# Altium PCB PDB_PCB2.PcbDoc (part 2 of 3)
Units mm, origin at the board's own origin, x right, y up, seen from the top; angles counter-clockwise.
Board outline 244 x 82 mm, 4 copper layers (Top Layer, NC, GND, Bottom Layer), stack 0.603 mm thick; 252 components, 210 nets, 894 pads, 234 vias.
Unrouted connection lines stored in the file: 2.
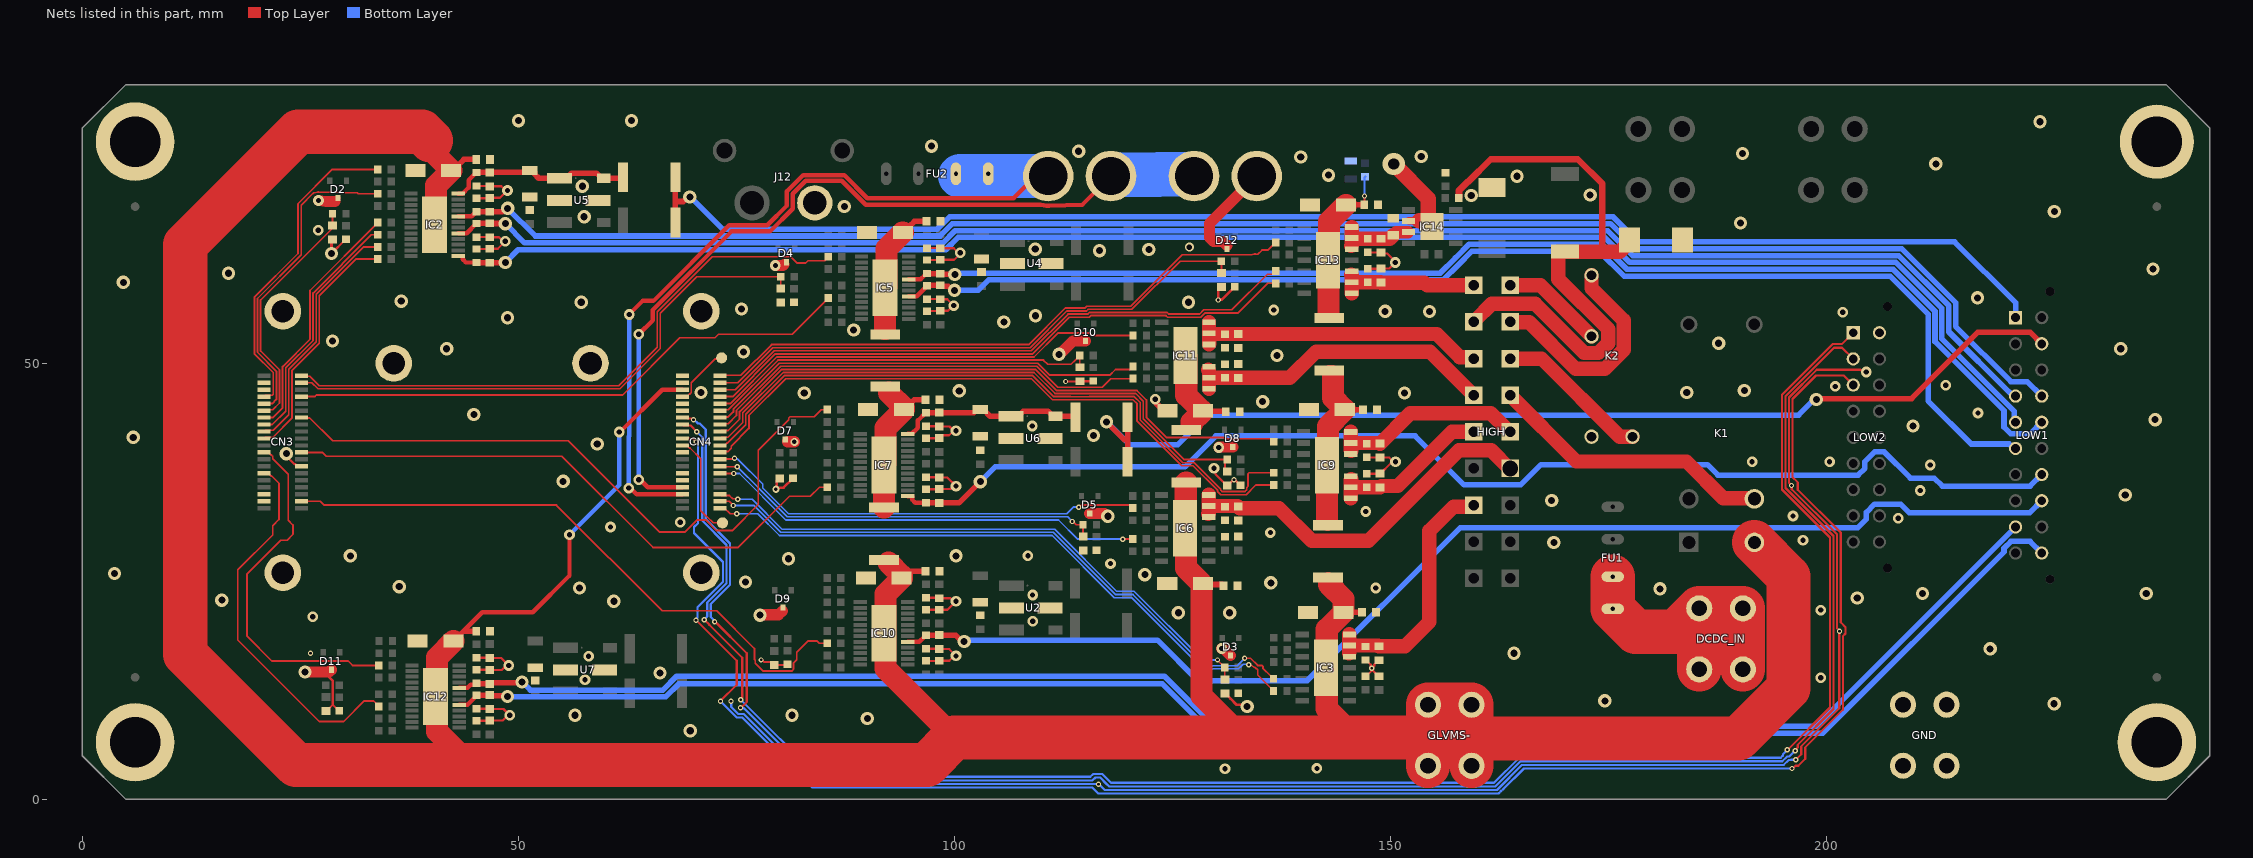
[diagram p4: the nets of this part, all layers, seen from the top]

## Via types
v1: diameter 1.524, hole 0.813, Top Layer to Bottom Layer, 114 vias
v2: diameter 1.219, hole 0.61, Top Layer to Bottom Layer, 68 vias
v3: diameter 0.61, hole 0.305, Top Layer to Bottom Layer, 44 vias
v4: diameter 1.2, hole 1.2, Top Layer to Bottom Layer, 2 vias
v5: diameter 0.8, hole 0.8, Top Layer to Bottom Layer, 2 vias
v6: diameter 1.016, hole 0.61, Top Layer to Bottom Layer, 1 vias
v7: diameter 2.54, hole 1.27, Top Layer to Bottom Layer, 1 vias
v8: diameter 0.914, hole 0.508, Top Layer to Bottom Layer, 1 vias
v9: diameter 0.813, hole 0.406, Top Layer to Bottom Layer, 1 vias

## Nets (pads, with @x,y where several pads share a name; then routed paths per layer and width w, separated by ;. In a path a pad name is that pad's centre, name@x,y a point inside that pad or via, vN(x,y) a via of type N, cw(c..) or ccw(c..) an arc to the next point about the centre after c; other vN are vias at no path point) (continued)
ACCU_UBR: C73.2 IC12.17 LOW1.20 R127.2 | length 194.6
  Top Layer w0.508: IC12.17@43.245,10.829 43.264,10.848 44.176,10.848 R127.2@45.016,11.688
  Top Layer w0.635: R127.2@45.212,11.951 45.224,11.963 46.724,11.963 C73.2@46.736,11.976 46.818,11.893 48.686,11.893 v1(48.768,11.811)
  Bottom Layer w0.635: v1(48.768,11.811) 48.819,11.76 66.908,11.76 68.404,13.257 123.874,13.257 129.536,7.595 157.783,7.595 157.793,7.605 160.897,7.605 160.907,7.595 199.619,7.595 220.41,28.386 220.41,28.811 221.19,29.591 223.41,29.591 LOW1.20@224.742,28.259
ACCU_UBR_EN: CN3.15 R125.2 | length 43.5
  Top Layer w0.203: CN3.15@20.828,37.465 21.275,37.465 21.488,37.252 21.488,37.223 21.607,37.104 21.695,37.104 22.555,36.244 22.555,32.116 21.838,31.399 21.838,30.332 17.831,26.325 17.831,18.283 27.173,8.941 29.982,8.941 32.345,11.304 33.399,11.304 34.01,10.693 R125.2@34.01,10.668
active_switch_IL+: HIGH.8 K2.4 | length 26.2
  Top Layer w1.651: HIGH.8@163.771,54.764 163.801,54.734 165.941,54.734 171.272,49.404 174.637,49.404 176.809,51.576 176.809,54.941 173.101,58.649 K2.4@173.101,60.111
active_switch_IL-: HIGH.9 K2.3 | length 11.8
  Top Layer w1.651: HIGH.9@163.771,58.964 167.248,58.964 K2.3@173.101,53.111
AIR+: HIGH.7 K2.1 | length 17.7
  Top Layer w1.651: HIGH.7@163.771,50.564 167.368,50.564 176.321,41.611 K2.1@177.801,41.611
BACKUP_PC10: CN4.11 pad.13 | length 11.8
  Top Layer w0.203: CN4.11@68.84,40.6 69.34,40.6 69.488,40.452 69.488,40.423 69.607,40.304 69.695,40.304 70.934,39.065 70.934,33.13 71.637,32.427 71.652,32.427 72.354,31.725 pad.13@73.431,31.725
BACKUP_PC15: CN4.4 pad.14 | length 7
  Top Layer w0.203: CN4.4@68.84,46.2 69.34,46.2 69.636,46.496 69.695,46.496 69.844,46.645 69.844,47.8 72.549,50.506 73.188,50.506 pad.14@73.33,50.648
BATTERY_1: CN4.18 FU2.1 J7.+ | length 94.3
  Top Layer w0.508: v2(62.662,35.712) 62.854,35.712 63.567,35 CN4.18@68.84,35 ; v2(62.713,55.626) 64.262,57.175 65.507,57.175 74.181,65.849 78.549,65.849 80.817,68.117 80.817,69.745 82.687,71.615 87.389,71.615 90.043,68.961 106.811,68.961 109.351,71.501 J7.+@110.783,71.501
  Bottom Layer w0.508: v2(62.662,35.712) 62.687,35.738 62.687,41.65 62.713,41.676 v2(62.713,55.626)
  Bottom Layer w5.08: FU2.1@100.711,71.501 J7.+@110.783,71.501
BATTERY_2: CN4.17 J4.+ J7.- | length 97.5
  Top Layer w0.508: v2(63.805,36.652) 63.997,36.652 64.849,35.8 CN4.17@68.84,35.8 ; v2(63.83,53.34) 65.43,54.94 65.43,56.136 74.445,65.151 78.867,65.151 81.477,67.761 81.477,69.471 82.961,70.955 87.115,70.955 89.871,68.199 109.94,68.199 ccw(c110.783,71.501) 110.878,68.094 114.681,68.199 114.83,68.348 J7.-@117.983,71.501
  Bottom Layer w0.508: v2(63.805,36.652) 63.817,36.665 63.817,53.327 v2(63.83,53.34)
  Bottom Layer w5.08: J7.-@117.983,71.501 118.121,71.639 123.396,71.639 123.474,71.717 127.097,71.717 127.313,71.501 J4.+@127.508,71.501
BDU_PWR: C49.2 IC7.13 LOW1.17 R75.2 | length 141.3
  Top Layer w0.508: IC7.13@94.66,34.779 95.14,34.779 95.169,34.75 95.169,34.39 95.542,34.017 R75.2@96.754,34.017
  Top Layer w0.635: R75.2@96.754,34.017 96.76,34.011 98.272,34.011 C49.2@98.278,34.005 100.553,34.005 v1(102.997,36.449)
  Bottom Layer w0.635: v1(102.997,36.449) 104.699,38.151 126.454,38.151 130.01,41.707 152.857,41.707 158.496,36.068 164.971,36.068 167.313,38.41 186.38,38.41 187.592,37.198 197.594,37.198 ; 197.595,37.197 203.673,37.197 204.453,37.977 204.453,38.744 205.569,39.86 206.673,39.86 209.673,36.861 212.404,36.861 213.337,35.927 223.41,35.927 LOW1.17@224.742,37.259
BDU_PWR_EN: CN3.29 R69.2 | length 67.7
  Top Layer w0.203: CN3.29@25.113,39.8 27.536,39.8 27.966,39.37 54.986,39.37 65.451,28.905 75.24,28.905 81.107,34.773 83.509,34.773 84.551,35.814 R69.2@85.445,35.814
BSPD_PWR: C33.2 IC5.17 LOW1.6 R45.2 | length 144.5
  Top Layer w0.508: IC5.17@94.787,57.699 94.806,57.718 95.718,57.718 R45.2@96.685,58.685
  Top Layer w0.635: R45.2@96.881,58.935 96.9,58.954 98.386,58.954 C33.2@98.405,58.973 98.537,58.84 99.339,58.84 99.785,58.395 v1(100.025,58.395)
  Bottom Layer w0.635: v1(100.025,58.395) 102.747,58.395 103.941,59.588 156.079,59.588 157.813,61.323 159.356,62.865 173.989,62.865 176.834,60.02 207.356,60.02 211.709,55.668 211.709,45.71 216.652,40.767 220.995,40.767 221.503,40.259 LOW1.6@221.742,40.259
BSPD_PWR_EN: CN3.37 R40.2 | length 65.1
  Top Layer w0.203: CN3.37@25.146,46.228 26.68,46.228 26.833,46.38 61.961,46.38 68.539,52.959 72.563,52.959 72.964,53.36 81.426,53.36 85.572,57.506 R40.2@85.572,57.531
BUZZER_CTRL: LOW2.10
BUZZER_PWR: C58.2 IC10.17 LOW1.18 R96.2 | length 142.2
  Top Layer w0.508: IC10.17@94.66,18.075 96,18.075 R96.2@96.558,18.633
  Top Layer w0.635: R96.2@96.754,18.829 96.76,18.835 98.272,18.835 C58.2@98.278,18.841 100.171,18.841 100.902,18.11 v1(101.143,18.11)
  Bottom Layer w0.635: v1(101.143,18.11) 101.313,18.28 123.304,18.28 127.97,13.614 140.487,13.614 158.053,31.18 203.655,31.18 204.621,32.146 204.621,32.912 205.569,33.86 208.559,33.86 209.526,32.893 223.376,32.893 LOW1.18@224.742,34.259
BUZZER_PWR_EN: CN3.22 R93.2 | length 71.7
  Top Layer w0.203: CN3.22@25.158,34.2 27.288,34.2 27.732,33.757 54.376,33.757 66.492,21.641 72.755,21.641 77.089,17.307 77.089,16.084 77.191,15.982 77.191,15.641 78.111,14.721 81.346,14.721 81.583,14.958 81.583,15.67 81.939,16.026 81.939,16.863 83.262,18.186 84.241,18.186 84.52,17.907 R93.2@85.445,17.907
CAN_H: CN4.7 LOW2.2 | length 220.5
  Top Layer w0.254: CN4.7@69.325,43.815 69.463,43.677 v3@69.843,43.677 ; v3(72.517,20.396) 72.563,20.396 76.2,16.759 76.2,11.159 75.552,10.511 v3(75.489,10.511) ; v3(196.469,5.588) 196.469,5.684 196.748,5.964 196.748,6.255 200.863,10.37 200.863,30.21 195.351,35.722 195.351,46.26 200.908,51.816 201.834,51.816 LOW2.2@203.121,50.529
  Bottom Layer w0.254: v3(70.104,43.561) 70.178,43.561 70.626,43.113 70.806,43.113 71.501,42.418 71.501,32.156 74.294,29.364 74.294,24.636 72.085,22.427 72.085,20.924 72.517,20.492 v3(72.517,20.396) ; v3(75.489,10.511) 75.54,10.46 75.9,10.46 84.176,2.184 115.875,2.184 116.205,2.515 116.738,2.515 117.475,1.778 117.764,1.499 162.093,1.499 164.964,4.369 194.989,4.369 195.546,4.925 195.772,4.925 196.434,5.588 v3(196.469,5.588)
CAN_L: CN4.8 LOW2.1 | length 219.2
  Top Layer w0.254: CN4.8@68.84,43 68.963,42.877 69.772,42.877 v3(70.485,42.164) ; v3(71.321,20.622) 71.327,20.622 71.896,20.053 71.896,20.047 75.692,16.251 75.692,11.717 75.514,11.539 v3(75.514,11.443) ; v3(195.562,5.686) 195.597,5.686 200.457,10.546 200.457,30.042 194.945,35.554 194.945,46.428 200.739,52.222 201.814,52.222 LOW2.1@203.121,53.529
  Bottom Layer w0.254: v3(70.485,42.164) 71.095,41.554 71.095,31.982 73.887,29.189 73.887,24.804 71.679,22.595 71.679,20.98 v3(71.321,20.622) ; v3(75.514,11.443) 75.527,11.443 84.379,2.591 115.621,2.591 115.951,2.921 116.967,2.921 117.983,1.905 161.925,1.905 164.795,4.775 194.821,4.775 195.072,5.026 195.072,5.196 v3(195.562,5.686)
DCDC_CTRL: HIGH.6 K1.5 | length 32.6
  Top Layer w1.651: HIGH.6@163.771,46.364 171.375,38.76 183.998,38.76 188.214,34.544 K1.5@191.516,34.544
DCDC_IN: DCDC_IN.1 DCDC_IN.2 DCDC_IN.3 DCDC_IN.4 FU1.1 | length 34.8
  Top Layer w5.08: FU1.1@175.539,25.552 FU1.1@175.539,21.852 178.155,19.236 182.781,19.236 DCDC_IN.1@185.46,21.915 ; DCDC_IN.3@185.46,14.915 DCDC_IN.1@185.46,21.915 ; DCDC_IN.4@190.46,14.915 DCDC_IN.2@190.46,21.915 DCDC_IN.1@185.46,21.915
DRS_CTRL: CN4.10 LOW2.3 | length 221.8
  Top Layer w0.254: CN4.10@68.84,41.4 70.01,41.4 70.389,41.021 v3(70.409,41.021) ; v3(70.387,20.552) 70.422,20.552 75.057,15.916 75.057,13.157 73.203,11.303 v3(73.203,11.252) ; v3(196.088,3.556) 196.184,3.556 196.489,3.861 196.804,3.861 197.612,4.669 197.612,5.969 201.93,10.287 201.93,18.715 202.235,19.02 202.235,19.748 201.676,20.307 201.676,30.607 196.759,35.524 196.759,36.367 196.164,36.962 196.164,45.923 198.857,48.616 202.034,48.616 LOW2.3@203.121,47.529
  Bottom Layer w0.254: v3(70.387,20.552) 70.387,20.648 70.561,20.823 70.561,22.053 73.481,24.972 73.481,27.243 70.168,30.555 70.168,31.245 70.612,31.688 70.612,40.722 70.409,40.925 v3(70.409,41.021) ; v3(73.203,11.252) 75.057,9.398 75.692,9.398 83.644,1.446 83.718,1.372 115.849,1.372 116.535,0.686 162.43,0.686 162.694,0.948 162.754,0.996 162.965,1.167 162.988,1.19 165.354,3.556 v3(196.088,3.556)
DRS_PWR_8V: C1.1 HIGH.17 L1.2 R2.2 | length 68.5
  Top Layer w0.762: R2.2@157.862,68.986 157.862,69.011 157.906,69.055 157.906,69.838 158.948,70.881 158.998,70.881 161.548,73.431 171.527,73.431 174.346,70.613 174.346,62.826
  Top Layer w1.651: HIGH.17@159.571,54.764 159.745,54.938 161.651,56.843 166.626,56.843 172.262,51.207 173.89,51.207 175.005,52.323 175.005,53.95 169.303,59.653 169.303,61.859 169.304,61.86 169.304,62.8 169.329,62.826 174.346,62.826 176.343,62.826 177.442,63.925 C1.1@177.442,64.175
DRS_PWR_8V_a: C83.2 C84.2 IC13.12 IC13.13 IC13.14 IC14.7 R141.2 | length 9
  Top Layer w1.397: C84.2@150.368,64.709 150.703,65.044 IC14.7@152.037,65.044
  Top Layer w1.651: 145.542,63.5 145.587,63.545 IC13.13@145.587,64.389 ; IC13.14@145.587,65.659 IC13.13@145.587,64.389 ; C84.2@150.368,64.709 149.972,64.313 C83.2@148.951,64.313 145.663,64.313 IC13.13@145.587,64.389
DRS_PWR_8V_EN: CN4.40 R140.2 | length 70.1
  Top Layer w0.203: CN4.40@73.057,48.641 75.525,48.641 79.055,52.172 108.56,52.172 112.769,56.381 115.033,56.381 115.218,56.566 120.239,56.566 126.157,62.484 134.149,62.484 cw(c134.493,61.582) 134.717,62.521 134.74,62.521 134.824,62.521 135.308,63.005 135.971,63.005 136.03,63.065 R140.2@136.86,63.894
DSBD_PWR: C25.2 IC2.13 LOW1.5 R25.2 | length 191.8
  Top Layer w0.508: IC2.13@43.118,62.331 43.598,62.331 43.627,62.302 43.627,61.955 44,61.582 R25.2@45.212,61.582
  Top Layer w0.635: R25.2@45.212,61.582 45.224,61.57 46.724,61.57 C25.2@46.736,61.557 46.755,61.576 48.495,61.576 v1(48.514,61.595)
  Bottom Layer w0.635: v1(48.514,61.595) 49.969,63.05 99.035,63.05 100.45,64.465 174.616,64.465 177.486,61.595 208.009,61.595 213.284,56.32 213.284,52.834 221.573,44.545 221.573,43.428 LOW1.5@221.742,43.259
DSBD_PWR_EN: CN3.9 R19.2 | length 28.1
  Top Layer w0.203: CN3.9@20.84,42.2 20.988,42.348 21.901,42.348 23.678,44.125 23.678,49.349 26.822,52.493 26.822,57.932 32.263,63.373 R19.2@33.883,63.373
ENERGE_METER_PWR: C72.2 IC12.20 LOW1.9 R124.2 | length 191.7
  Top Layer w0.508: IC12.20@43.245,12.779 43.264,12.798 44.176,12.798 44.529,13.151 45.041,13.151 R124.2@45.212,13.322
  Top Layer w0.635: R124.2@45.212,13.322 45.243,13.291 46.704,13.291 C72.2@46.736,13.259 46.838,13.361 50.33,13.361 v1(50.427,13.457)
  Bottom Layer w0.635: v1(50.427,13.457) 50.486,13.457 51.396,12.548 66.581,12.548 68.165,14.131 124.113,14.131 129.862,8.382 157.457,8.382 157.467,8.392 161.223,8.392 161.233,8.382 198.865,8.382 LOW1.9@221.742,31.259
ENERGE_METER_PWR_EN: CN3.12 R123.2 | length 41.9
  Top Layer w0.203: CN3.12@20.828,39.751 21.389,39.751 21.488,39.652 21.488,39.623 21.607,39.504 21.695,39.504 21.844,39.355 21.844,39.058 23.622,37.28 23.622,32.009 24.162,31.469 24.162,30.419 23.481,29.738 22.753,29.738 18.898,25.883 18.898,18.725 21.748,15.875 30.48,15.875 30.988,15.367 R123.2@34.01,15.367
FAN1_PWR: C52.2 HIGH.14 IC9.8 IC9.9 IC9.10 R80.2 | length 18.9
  Top Layer w1.651: IC9.8@145.48,34.531 IC9.9@145.48,35.801 ; 145.542,36.703 145.48,36.641 IC9.9@145.48,35.801 ; HIGH.14@159.571,42.164 159.397,42.164 157.099,42.164 150.883,35.948 149.016,35.948 C52.2@148.844,35.776 148.819,35.801 R80.2@147.32,35.801 IC9.9@145.48,35.801
FAN1_PWR_EN: CN4.29 R78.2 | length 75.2
  Top Layer w0.203: CN4.29@73.16,39.8 73.271,39.911 74.074,39.911 74.422,40.259 74.422,40.521 76.454,42.553 76.454,44.038 80.676,48.26 108.865,48.26 111.278,45.847 113.227,45.847 113.233,45.842 115.621,45.842 115.627,45.847 120.508,45.847 120.98,45.375 120.98,43.373 126.089,38.265 127.391,38.265 130.208,35.447 130.208,35.367 130.221,35.355 130.221,35.302 130.565,34.957 133.495,34.957 134.605,36.068 R78.2@136.639,36.068
FAN2_PWR: C62.2 HIGH.15 IC11.8 IC11.9 IC11.10 R109.2 | length 35.9
  Top Layer w1.651: 129.159,49.276 129.224,49.211 IC11.9@129.224,48.374 ; IC11.8@129.224,47.104 IC11.9@129.224,48.374 ; HIGH.15@159.571,46.364 154.576,51.359 141.506,51.359 138.496,48.349 C62.2@132.588,48.349 132.563,48.374 R109.2@131.064,48.374 IC11.9@129.224,48.374
FAN2_PWR_EN: CN4.33 R107.2 | length 51.9
  Top Layer w0.203: CN4.33@73.16,43 73.258,43.098 74.086,43.098 75.032,44.044 75.032,44.628 80.086,49.682 109.454,49.682 111.867,47.269 113.816,47.269 113.822,47.264 115.032,47.264 115.038,47.269 116.965,47.269 117.955,48.26 R107.2@120.51,48.26
FAN3_PWR: C61.2 HIGH.16 IC11.12 IC11.13 IC11.14 R106.2 | length 34.1
  Top Layer w1.651: IC11.12@129.224,52.217 129.286,52.279 129.286,52.578 129.224,52.64 IC11.13@129.224,53.454 ; IC11.14@129.224,54.724 IC11.13@129.224,53.454 ; HIGH.16@159.571,50.564 159.397,50.738 157.999,50.738 155.359,53.378 C61.2@132.588,53.378 131.064,53.378 129.3,53.378 IC11.13@129.224,53.454
FAN3_PWR_EN: CN4.36 R105.2 | length 50.8
  Top Layer w0.203: CN4.36@73.16,45.4 74.295,45.4 79.645,50.749 109.149,50.749 111.883,53.483 115.43,53.483 115.7,53.213 R105.2@120.51,53.213
FIREON_PWR: C17.2 IC2.17 LOW1.4 R21.2 | length 190.2
  Top Layer w0.508: IC2.17@43.118,64.931 43.137,64.95 44.084,64.95 R21.2@45.187,66.053
  Top Layer w0.635: R21.2@45.187,66.053 45.199,66.065 46.724,66.065 C17.2@46.736,66.078 46.755,66.059 48.495,66.059 v1(48.514,66.04)
  Bottom Layer w0.635: v1(48.514,66.04) 50.717,63.837 98.709,63.837 100.124,65.253 174.942,65.253 177.812,62.382 208.335,62.382 214.071,56.646 214.071,53.645 221.024,46.692 221.069,46.692 221.503,46.259 LOW1.4@221.742,46.259
FIREON_PWR_EN: CN3.8 R17.2 | length 28.1
  Top Layer w0.203: CN3.8@20.84,43 21.777,43 23.322,44.546 23.322,49.496 26.467,52.641 26.467,58.08 33.155,64.768 33.881,64.768 R17.2@33.883,64.77
GLVMS-: C6.1 C7.1 C29.1 C54.1 C63.1 CN4.3 GLVMS-.1 GLVMS-.2 GLVMS-.3 GLVMS-.4 IC2.25 IC3.15 IC6.15 IC10.25 IC12.25 K1.6 R6.1 R10.1 R30.1 ZDB1.2 ZDB2.2 ZDB4.2 ZDB7.2 ZDB9.2 | length 468.6
  Top Layer w0.508: ZDB9.2@42.563,18.161 42.963,18.161 43.459,18.657 43.459,19.057 43.739,19.337 45.865,21.463 51.664,21.463 55.88,25.679 v2(55.88,30.353) ; v2(61.595,42.139) 61.668,42.139 66.529,47 CN4.3@68.84,47
  Top Layer w0.635: ZDB1.2@42.309,72.136 42.709,72.136 43.141,72.569 43.141,72.776 43.771,73.406 C6.1@45.174,73.406 ; 43.771,19.304 C63.1@45.174,19.304 ; ZDB7.2@94.378,25.407 95.14,26.169 C54.1@96.716,26.169 ; ZDB4.2@128.667,24.651 130.752,24.651 C29.1@130.879,24.524 ; ZDB2.2@144.671,21.463 C7.1@146.774,21.463
  Top Layer w1.27: R10.1@142.875,25.448 142.942,25.448 143.002,25.388 143.002,24.638
  Top Layer w2.54: 39.954,75.578 39.954,74.491 ZDB1.2@42.309,72.136 40.571,70.398 40.571,66.071 IC2.25@40.406,65.906 ; ZDB9.2@42.563,18.161 40.698,16.296 40.698,11.969 IC12.25@40.533,11.804 40.698,11.639 40.698,7.777 44.538,3.937 44.577,3.937 ; R30.1@92.456,27.178 ZDB7.2@93.978,25.656 ; ZDB7.2@93.978,25.407 92.113,23.542 92.113,19.215 IC10.25@91.948,19.05 92.113,18.885 92.113,15.023 100.024,7.112 ; R6.1@126.619,36.37 126.555,36.307 126.555,31.178 IC6.15@126.492,31.115 126.597,31.01 126.597,26.553 128.372,24.778 128.372,11.884 133.144,7.112 ; 143.002,24.638 144.671,22.969 ZDB2.2@144.671,21.463 142.726,19.518 142.726,15.218 IC3.15@142.621,15.113 142.726,15.008 142.726,10.436 146.05,7.112
  Top Layer w5.08: 39.954,75.578 38.951,76.581 24.765,76.581 11.811,63.627 11.811,16.637 24.511,3.937 44.538,3.937 ; 44.577,3.937 96.849,3.937 100.024,7.112 133.144,7.112 146.05,7.112 154.345,7.112 ; GLVMS-.2@154.345,3.858 154.345,7.112 ; GLVMS-.1@159.345,3.858 GLVMS-.3@159.345,10.858 GLVMS-.4@154.345,10.858 154.345,7.112 ; 159.766,6.985 189.93,6.985 195.692,12.748 195.692,25.561 K1.6@191.77,29.483
  Bottom Layer w0.508: v2(55.88,30.353) 61.595,36.068 v2(61.595,42.139)
GLVMS-1: C42.1 IC7.25 R28.1 R30.2 ZDB5.2 | length 17.9
  Top Layer w0.635: ZDB5.2@94.232,44.918 94.839,44.918 95.064,45.144 95.064,45.482 95.436,45.854 C42.1@96.716,45.854
  Top Layer w2.54: R30.2@91.948,33.48 IC7.25@91.948,38.354 92.113,38.519 92.113,42.592 ZDB5.2@94.232,44.711 94.232,44.918 92.505,46.645
GLVMS-2: C28.1 IC5.25 R28.2 ZDB3.2 | length 15.4
  Top Layer w0.635: ZDB3.2@94.105,65.031 94.505,65.031 94.937,65.464 94.937,65.798 95.44,66.301 C28.1@96.843,66.301
  Top Layer w2.54: 92.075,53.975 IC5.25@92.075,58.674 92.24,58.839 92.24,63.166 ZDB3.2@94.105,65.031
GLVMS-3: C57.1 IC11.15 R6.2 ZDB8.2 | length 11.6
  Top Layer w0.635: ZDB8.2@128.392,44.577 128.456,44.514 130.835,44.514 C57.1@130.899,44.45
  Top Layer w2.54: IC11.15@126.512,50.914 126.617,50.809 126.617,46.352 ZDB8.2@128.392,44.577 ; 127.254,43.053 127.254,43.289 ZDB8.2@128.467,44.502
GLVMS-4: C44.1 IC9.15 R1.1 R10.2 ZDB6.2 | length 21.7
  Top Layer w0.635: ZDB6.2@144.798,44.704 C44.1@146.901,44.704
  Top Layer w1.27: 142.768,32.143 142.768,31.508 142.828,31.448 R10.2@142.875,31.448 ; R1.1@143.002,49.197 143.372,49.197 143.432,49.137 143.432,48.502
  Top Layer w2.54: 142.768,32.143 IC9.15@142.768,38.341 142.873,38.446 142.873,42.779 ZDB6.2@144.798,44.704 143.432,46.07 143.432,48.502
GLVMS-5: C74.1 IC13.15 R1.2 R32.2 ZDB10.2 | length 18.6
  Top Layer w0.254: C74.1@147.028,68.199 147.066,68.237 v3(147.066,69.215)
  Top Layer w0.635: ZDB10.2@144.925,68.199 C74.1@147.028,68.199
  Top Layer w2.54: 142.939,55.892 142.939,61.785 IC13.15@142.875,61.849 142.98,61.954 142.98,66.254 ZDB10.2@144.925,68.199
  Bottom Layer w0.254: v3(147.066,69.215) 147.066,71.361 R32.2@147.117,71.412 ; R32.2@147.13,71.399 R32.2@147.142,71.412
GND: C1.2 C6.2 C7.2 C12.1 C13.1 C14.1 C17.1 C22.1 C23.1 C25.1 C26.1 C28.2 C29.2 C30.1 C31.1 C32.1 C33.1 C34.1 C35.1 C36.1 C37.1 C42.2 C44.2 C45.1 C47.1 C48.1 C49.1 C50.1 C51.1 C52.1 C53.1 C54.2 C55.1 C56.1 C57.2 C58.1 C59.1 C60.1 C61.1 C62.1 C63.2 C64.1 C66.1 C67.1 C70.1 C71.1 C72.1 C73.1 C74.2 C75.1 C76.1 C77.1 C78.1 C79.1 C80.1 C81.1 C82.1 C83.1 C84.1 C85.1 C86.1 C90.1 CN3.2 CN3.3 CN3.18 CN3.19 CN3.27 CN4.1 CN4.2 CN4.5 CN4.6 CN4.9 CN4.12 CN4.15 CN4.16 D2.3 D3.3 D4.3 D5.3 D7.3 D8.3 D9.3 D10.3 D11.3 D12.3 D13.2 GND.1 GND.2 GND.3 GND.4 IC14.6 IC14.9 J4.- J12.1 K2.2 LED1.1 pad.8 pad.15 pad.16 pad.17 pad.18 pad.19 pad.20 R9.1 R14.1 R15.1 R20.1 R21.1 R23.1 R24.1 R25.1 R34.1 R39.1 R43.1 R45.1 R48.1 R49.1 R50.1 R52.1 R61.1 R66.1 R70.1 R74.1 R75.1 R76.1 R80.1 R81.1 R89.1 R92.1 R96.1 R100.1 R101.1 R106.1 R109.1 R112.1 R113.1 R121.1 R124.1 R127.1 R134.1 R135.1 R141.1 R146.1 R149.1 U2.2 U2.5 U4.2 U4.5 U5.2 U5.5 U6.2 U6.5 U7.2 U7.5 ZDB1.1 ZDB2.1 ZDB3.1 ZDB4.1 ZDB5.1 ZDB6.1 ZDB7.1 ZDB8.1 ZDB9.1 ZDB10.1 | length 358.5
  Top Layer w0.254: v1(23.394,39.655) 23.394,39.371 24.294,38.471 24.389,38.471 24.717,38.143 CN3.27@25.146,38.143 ; C80.1@27.94,10.135 27.99,10.135 28.719,10.864 ; v1(28.575,62.611) 30.201,64.236 R24.1@30.226,64.236 ; 28.593,13.734 28.719,13.608 28.719,10.864 ; C26.1@28.702,64.224 C26.1@28.752,64.224 ; R134.1@29.464,10.16 29.439,10.16 28.735,10.864 28.719,10.864 ; R135.1@45.212,9.03 46.711,9.03 C77.1@46.736,9.055 48.218,9.055 48.815,9.652 v2(49.022,9.652) 48.298,10.376 C73.1@46.736,10.376 46.711,10.401 R127.1@45.212,10.401 ; R124.1@45.212,14.872 46.723,14.872 C72.1@46.736,14.859 48.126,14.859 48.634,15.367 v2(48.895,15.367) 48.044,16.218 C71.1@46.736,16.218 46.698,16.256 R121.1@45.212,16.256 ; R25.1@45.212,63.132 46.711,63.132 C25.1@46.736,63.157 47.663,63.157 v2(48.514,64.008) 48.253,64.008 47.783,64.478 C17.1@46.736,64.478 46.711,64.503 R21.1@45.212,64.503 ; R15.1@45.212,68.961 46.698,68.961 C13.1@46.736,68.999 47.917,68.999 v2(48.768,69.85) 48.507,69.85 48.037,70.32 C12.1@46.736,70.32 46.698,70.358 R9.1@45.212,70.358 ; v3(77.851,16.002) 77.947,16.002 78.201,15.748 79.032,15.748 C60.1@79.355,15.425 80.816,15.425 R100.1@80.879,15.488 ; C36.1@80.117,56.992 C36.1@80.167,56.992 ; R74.1@81.489,36.824 R74.1@81.514,36.824 ; R49.1@81.616,57.017 R49.1@81.641,57.017 ; R96.1@96.754,17.279 98.24,17.279 C58.1@98.278,17.241 99.421,17.241 v2(100.203,16.459) 99.976,16.459 99.43,15.913 C59.1@98.298,15.913 98.273,15.888 R101.1@96.774,15.888 ; R92.1@96.754,21.75 98.266,21.75 C56.1@98.278,21.762 99.232,21.762 v2(100.203,22.733) 99.942,22.733 99.592,23.083 C55.1@98.278,23.083 98.24,23.121 R89.1@96.754,23.121 ; R75.1@96.754,35.567 98.24,35.567 C49.1@98.278,35.605 99.606,35.605 99.942,35.941 v2(100.203,35.941) 99.218,36.926 C48.1@98.278,36.926 98.253,36.951 R70.1@96.754,36.951 ; R66.1@96.754,41.435 98.266,41.435 C47.1@98.278,41.447 98.601,41.77 99.421,41.77 v2@99.942,42.291 ; R61.1@96.754,42.806 98.24,42.806 C45.1@98.278,42.768 99.465,42.768 v2@99.942,42.291 ; R50.1@96.881,56.014 98.367,56.014 C35.1@98.405,56.052 99.286,56.052 99.876,56.642 v2(99.949,56.642) 99.218,57.373 C33.1@98.405,57.373 98.393,57.385 R45.1@96.881,57.385 ; R39.1@96.881,61.869 98.38,61.869 C31.1@98.405,61.894 99.994,61.894 v2@100.711,62.611 ; R34.1@96.881,63.24 98.38,63.24 C30.1@98.405,63.215 99.947,63.215 100.45,62.713 v2(100.711,62.713) ; v2(100.203,42.291) v2@99.942,42.291 ; v3(112.776,47.93) 114.389,47.93 C64.1@114.427,47.968 115.926,47.968 R112.1@115.951,47.993 ; v2(129.794,37.973) 129.979,37.788 129.979,37.306 131.268,36.017 131.368,36.017 132.031,36.68 v3(132.093,36.68) ; C90.1@130.663,58.776 C90.1@130.713,58.776 ; v3@132.08,36.703 132.156,36.703 132.817,36.042 R81.1@132.842,36.042 ; R149.1@132.162,58.801 R149.1@132.187,58.801 ; R23.1@132.563,12.179 R23.1@132.588,12.179 ; R20.1@147.193,14.11 147.218,14.11 147.879,14.771 v3(147.879,15.037) ; R14.1@147.193,15.989 147.218,15.989 147.772,15.435 147.772,15.144 v3(147.879,15.037) ; R80.1@147.32,37.351 148.819,37.351 C52.1@148.844,37.376 148.894,37.376 150.068,38.55 150.437,38.55 v2(150.622,38.735) 150.361,38.735 149.891,39.205 C50.1@148.844,39.205 148.819,39.23 R76.1@147.32,39.23 ; R146.1@147.427,60.859 148.926,60.859 C85.1@148.951,60.884 149.869,60.884 150.567,61.582 v2(150.571,61.582) ; R141.1@147.427,62.738 148.926,62.738 C83.1@148.951,62.713 ; v3@147.955,14.847 148.667,14.135 C22.1@148.717,14.135 ; C14.1@148.717,15.964 148.667,15.964 148.186,15.483 148.186,15.344 v3(147.879,15.037) ; C83.1@148.955,62.709 149.054,62.61 149.683,62.61 150.571,61.722 v2@150.501,61.652 ; v3(196.52,4.547) 197.155,5.182 197.155,6.087 201.524,10.455 v3@201.524,19.279 ; v3(201.549,19.304) 201.549,19.351 201.27,19.631 201.27,30.378 196.071,35.577 196.071,35.979 v3(196.041,36.009) 196.041,36.05 195.758,36.332 195.758,46.092 198.942,49.276 203.966,49.276 204.035,49.207 204.412,49.207 v2(204.597,49.022)
  Top Layer w0.305: 27.722,14.605 28.593,13.734 ; v1(28.575,62.611) 28.575,64.097 C26.1@28.702,64.224 ; v9(79.543,35.579) v9@79.642,35.679 ; C51.1@79.99,36.799 79.94,36.799 79.642,36.501 v9@79.642,35.679 ; R74.1@81.489,36.824 80.419,35.754 79.717,35.754 v9@79.642,35.679 ; C90.1@130.663,58.776 130.613,58.776 130.315,58.478 130.315,58.428 130.302,58.415 v3(130.302,57.277) 130.36,57.335 130.696,57.335 R149.1@132.162,58.801 ; C23.1@131.064,12.154 131.114,12.154 131.681,11.587 131.681,11.565 132.385,10.861 133.411,10.861 v1(133.604,10.668)
  Top Layer w0.635: D2.3@29.304,68.928 D2.3@29.319,68.928 ; v2(123.063,45.915) 123.175,45.804 123.175,45.444 124.042,44.577 ZDB8.1@124.442,44.577
  Top Layer w0.762: IC14.6@152.101,66.345 IC14.6@152.127,66.371
  Top Layer w0.889: IC14.6@152.127,66.371 153.365,66.371
  Top Layer w1.27: v1(25.527,14.605) 27.722,14.605 28.305,14.605 D11.3@28.575,14.875 ; v2(27.083,68.694) 27.924,68.6 28.976,68.6 ; v1(77.724,21.133) 77.773,21.181 79.855,21.181 80.289,21.615 ; v2(79.495,61.245) 80.379,61.245 D4.3@80.466,61.332 ; D7.3@80.873,41.05 80.902,41.021 v8(81.661,41.021) ; v1(112.014,51.054) 112.083,51.054 113.623,52.594 D10.3@115.062,52.594 ; D5.3@115.55,32.795 117.239,32.795 117.553,32.48 v1(117.622,32.48) ; v2(130.353,40.361) 130.394,40.402 D8.3@131.953,40.402 ; v2(130.683,17.312) 130.913,17.312 D3.3@131.699,16.526 ; 131.267,63.525 130.782,64.011 129.722,64.011 129.26,64.472 129.26,66.054 J4.-@134.708,71.501 ; ZDB6.1@140.298,44.704 ZDB6.1@140.698,44.704
  Top Layer w1.778: v7(150.419,72.873) 154.402,68.889 IC14.9@154.402,66.375 ; 153.365,66.371 154.402,66.371 154.813,65.96 IC14.9@154.813,65.71
  Bottom Layer w0.254: v3(74.397,11.278) 74.438,11.236 74.438,10.592 75.225,9.804 75.86,9.804 83.887,1.778 115.943,1.778 v3(116.546,1.738) ; v3@116.586,1.778 117.272,1.092 162.262,1.092 165.132,3.962 195.158,3.962 195.707,4.512 195.933,4.512 195.976,4.555 196.512,4.555 v3(196.52,4.547)
  other v1: 69.723,7.874 90.043,9.271 56.515,9.652 81.407,9.652 226.162,10.973 174.625,11.303 66.269,14.503 164.211,16.764 218.821,17.272 125.705,21.412 131.597,21.412 60.96,22.733 16.002,22.86 203.581,23.114 211.074,23.622 236.728,23.622 180.95,24.155 57.023,24.257 36.347,24.409 136.322,24.841 76.073,24.943 121.869,25.781 3.683,25.908 81.001,27.61 30.734,27.94 100.203,27.94 168.783,29.464 168.529,34.29 234.315,34.925 55.153,36.484 59.055,40.767 5.842,41.529 115.976,41.732 209.982,42.824 237.744,43.561 44.907,44.145 135.382,45.618 82.804,46.609 151.638,46.609 70.962,46.672 184.023,46.685 100.584,46.863 190.627,46.914 137.033,50.927 75.844,51.333 41.783,51.689 233.807,51.689 187.681,52.324 28.702,52.578 88.463,53.848 105.689,54.762 48.768,55.245 109.322,55.474 154.508,55.956 149.428,55.982 75.616,56.261 57.226,57.023 126.873,57.023 36.576,57.15 217.373,57.531 4.699,59.309 16.764,60.35 237.49,60.833 116.662,62.941 122.326,63.068 109.296,63.119 190.195,66.116 57.556,66.827 226.187,67.437 87.401,67.996 159.309,69.266 172.949,69.317 57.353,70.333 164.541,71.476 142.926,71.603 212.598,72.898 139.751,73.685 153.568,73.736 190.424,74.092 114.275,74.346 97.409,74.93 224.536,77.724 50.038,77.851 62.992,77.851
  other v2: 131.064,3.531 141.605,3.556 57.658,13.729 199.39,13.97 58.064,16.408 109.017,20.447 26.416,20.955 199.39,21.717 108.991,23.444 148.341,24.252 117.932,27.051 108.458,27.94 197.358,29.718 136.271,30.607 60.579,31.242 68.58,31.801 208.28,32.258 196.215,32.512 147.193,33.02 210.82,35.433 211.963,38.354 191.516,38.735 200.406,38.735 108.966,42.824 217.424,44.323 201.041,47.371 213.741,47.498 201.93,55.88 136.652,56.134 27.051,65.278
  other v3: 26.162,16.764
  other v6: 126.975,63.348
H1_24V_Backup: C32.2 HIGH.4 IC6.12 IC6.13 IC6.14 R43.2 | length 43.6
  Top Layer w1.651: 129.159,32.766 129.204,32.811 IC6.13@129.204,33.655 ; IC6.14@129.204,34.925 IC6.13@129.204,33.655 ; HIGH.4@163.771,37.964 163.677,37.964 161.597,40.044 157.9,40.044 147.523,29.667 140.998,29.667 137.258,33.407 132.74,33.407 C32.2@132.568,33.579 132.492,33.655 IC6.13@129.204,33.655
H1_24V_Backup_EN: CN4.28 R41.2 | length 50.9
  Top Layer w0.203: CN4.28@73.16,39 73.218,39.058 74.745,39.058 v3(74.803,39.116) ; v3(114.3,33.528) 114.368,33.528 114.622,33.782 120.047,33.782 120.067,33.762 120.166,33.762 120.49,33.439 R41.2@120.49,33.414
  Bottom Layer w0.203: v3(74.803,39.116) 74.881,39.038 75.18,39.038 78.037,36.181 78.037,35.719 80.99,32.766 112.903,32.766 113.665,33.528 v3(114.3,33.528)
H1_current_IN10: C23.2 CN4.23 R18.2 | length 67.5
  Top Layer w0.203: CN4.23@73.16,35 73.299,34.861 74.215,34.861 74.581,34.495 75.106,34.495 v3(75.184,34.417) ; v3(130.201,16.002) 130.201,15.975 131.038,15.138 131.038,13.78 C23.2@131.064,13.754
  Bottom Layer w0.203: v3(75.184,34.417) 76.825,34.417 80.254,30.988 111.521,30.988 118.621,23.889 120.624,23.889 128.51,16.002 v3(130.201,16.002)
H1_select: CN4.22 R8.2 | length 72.7
  Top Layer w0.203: CN4.22@73.16,34.2 74.195,34.2 v3(74.676,33.719) ; v3(133.307,16.181) 133.989,16.181 134.803,15.367 135.288,15.367 135.407,15.248 135.407,15.062 136.278,14.191 136.303,14.191 136.626,13.868 R8.2@136.626,13.843
  Bottom Layer w0.203: v3(74.676,33.719) 77.02,33.719 80.106,30.632 111.374,30.632 118.511,23.495 120.514,23.495 128.668,15.342 132.468,15.342 v3(133.307,16.181)
H2_24V_Backup: C50.2 HIGH.5 IC9.12 IC9.13 IC9.14 R76.2 | length 22.8
  Top Layer w1.651: IC9.14@145.48,42.151 IC9.13@145.48,40.881 ; 145.542,40.005 145.48,40.067 IC9.13@145.48,40.881 ; HIGH.5@163.771,42.164 163.597,42.338 163.502,42.338 161.556,44.285 152.324,44.285 C50.2@148.844,40.805 148.768,40.881 147.32,40.881 IC9.13@145.48,40.881
H2_24V_Backup_EN: CN4.32 R73.2 | length 71.6
  Top Layer w0.203: CN4.32@73.16,42.2 73.277,42.317 74.067,42.317 75.387,43.637 75.387,44.48 80.234,49.327 109.306,49.327 111.719,46.914 113.669,46.914 113.674,46.908 115.18,46.908 115.185,46.914 120.95,46.914 120.955,46.908 122.047,45.817 122.047,43.815 124.358,41.504 130.899,41.504 131.033,41.369 136.329,41.369 136.652,41.046 R73.2@136.652,41.021
H2_current_IN11: C37.2 CN4.27 R47.2 | length 45.8
  Top Layer w0.203: CN4.27@73.16,38.2 73.21,38.15 v3(75.134,38.15) ; v3(113.538,31.877) 113.648,31.877 114.016,31.509 R47.2@114.775,31.509 114.788,31.496 C37.2@114.788,30.15
  Bottom Layer w0.203: v3(75.134,38.15) 77.681,35.603 77.681,35.572 80.843,32.41 113.005,32.41 v3(113.538,31.877)
H2_select: CN4.26 R38.2 | length 50.5
  Top Layer w0.203: CN4.26@73.16,37.4 73.18,37.38 v3(74.719,37.38) ; v3(119.332,29.858) R38.2@120.49,29.858
  Bottom Layer w0.203: v3(74.719,37.38) 75.371,37.38 80.696,32.055 111.963,32.055 114.16,29.858 v3(119.332,29.858)
H3_24V_Backup: C85.2 HIGH.18 IC13.8 IC13.9 IC13.10 R146.2 | length 16.3
  Top Layer w1.651: 145.542,60.198 145.587,60.153 IC13.9@145.587,59.309 ; IC13.8@145.587,58.039 IC13.9@145.587,59.309 ; HIGH.18@159.571,58.964 159.397,58.964 154.241,58.964 153.921,59.284 C85.2@148.951,59.284 148.926,59.309 R146.2@147.427,59.309 IC13.9@145.587,59.309
H3_24V_Backup_EN: CN4.37 R142.2 | length 69.2
  Top Layer w0.203: CN4.37@73.16,46.2 74.592,46.2 79.497,51.105 109.001,51.105 113.211,55.314 115.475,55.314 115.66,55.499 124.282,55.499 124.467,55.314 128.287,55.314 128.777,55.804 132.574,55.804 135.966,59.195 R142.2@136.86,59.195
H3_current_IN12: C53.2 CN4.31 R79.2 | length 68.4
  Top Layer w0.203: CN4.31@73.16,41.4 73.308,41.548 74.055,41.548 75.743,43.236 75.743,44.333 80.381,48.971 109.159,48.971 111.572,46.558 113.522,46.558 113.527,46.553 115.327,46.553 115.332,46.558 120.803,46.558 121.691,45.669 121.691,43.668 126.383,38.976 131.051,38.976 131.064,38.963 C53.2@131.064,37.617
H3_select: CN4.30 R71.2 | length 76.1
  Top Layer w0.203: CN4.30@73.16,40.6 73.66,40.6 73.956,40.896 74.015,40.896 76.098,42.979 76.098,44.186 80.528,48.616 109.012,48.616 111.425,46.203 113.375,46.203 113.38,46.197 115.474,46.197 115.479,46.203 120.655,46.203 121.336,45.522 121.336,43.52 126.236,38.62 127.538,38.62 130.564,35.595 130.564,35.462 130.713,35.313 133.347,35.313 133.546,35.512 133.546,35.766 133.695,35.915 133.695,37.346 133.814,37.465 R71.2@136.639,37.465
H4_current_IN13: C64.2 CN4.35 R108.2 | length 45.7
  Top Layer w0.203: CN4.35@73.16,44.6 73.253,44.693 74.091,44.693 79.792,50.394 110.236,50.394 110.719,49.911 113.398,49.911 113.881,50.394 114.066,50.579 114.091,50.579 114.414,50.902 R108.2@114.414,50.927 114.414,49.581 C64.2@114.427,49.568
H4_select: CN4.34 R104.2 | length 51.1
  Top Layer w0.203: CN4.34@73.16,43.8 73.23,43.87 74.096,43.87 74.676,44.45 74.676,44.775 79.939,50.038 109.601,50.038 110.967,48.672 117.864,48.672 118.501,49.309 120.187,49.309 120.51,49.632 R104.2@120.51,49.657
H5_current_IN1: C90.2 CN4.39 R145.2 | length 64.6
  Top Layer w0.203: CN4.39@73.16,47.8 75.187,47.8 79.203,51.816 108.707,51.816 112.916,56.025 115.18,56.025 115.365,56.21 120.386,56.21 125.911,61.735 R145.2@130.65,61.735 130.65,60.389 C90.2@130.663,60.376
H5_select: CN4.38 R139.2 | length 69.5
  Top Layer w0.203: CN4.38@73.16,47 74.89,47 79.35,51.46 108.854,51.46 113.063,55.67 115.327,55.67 115.512,55.855 124.43,55.855 124.615,55.67 128.14,55.67 128.63,56.159 131.851,56.159 135.936,60.244 136.536,60.244 136.86,60.567 R139.2@136.86,60.592
IL+_PWR: C14.2 HIGH.12 IC3.12 IC3.13 IC3.14 R14.2 | length 29.3
  Top Layer w1.651: 145.288,16.764 145.333,16.809 IC3.13@145.333,17.653 ; IC3.14@145.333,18.923 IC3.13@145.333,17.653 ; HIGH.12@159.571,33.764 159.397,33.589 157.298,33.589 154.508,30.8 154.508,20.371 151.701,17.564 C14.2@148.717,17.564 148.628,17.653 147.193,17.653 IC3.13@145.333,17.653
IL+_PWR_EN: CN4.21 R16.2 | length 72.9
  Top Layer w0.203: CN4.21@73.16,33.4 73.66,33.4 74.294,32.766 v3(75.057,32.766) ; v3(133.788,15.448) 133.799,15.448 133.858,15.507 134.493,15.126 cw(c134.388,14.952) 134.531,15.096 ; 134.532,15.095 134.616,15.011 134.706,15.011 134.825,14.892 134.825,14.272 136.626,12.471 R16.2@136.626,12.446
  Bottom Layer w0.203: v3(75.057,32.766) 77.47,32.766 79.959,30.277 111.227,30.277 118.364,23.139 120.367,23.139 128.267,15.24 128.521,14.986 132.615,14.986 132.869,15.24 133.136,15.507 133.73,15.507 v3(133.788,15.448)
L1_5V_Backup: LOW1.1 R128.2 R129.2 | length 167
  Top Layer w0.635: R129.2@68.024,66.167 68.024,68.58 ; R128.2@68.024,71.374 68.024,68.58 ; v1(69.684,69.099) 69.443,69.099 68.925,68.58 68.024,68.58
  Bottom Layer w0.635: v1(69.684,69.099) 69.756,69.099 73.443,65.412 98.057,65.412 99.472,66.827 175.594,66.827 178.464,63.957 214.756,63.957 221.742,56.972 LOW1.1@221.742,55.259
L1_5V_Backup_a: C12.2 C78.2 IC2.24 R9.2 R128.1 U5.1 U5.6 | length 21.5
  Top Layer w0.508: IC2.24@43.118,69.481 43.598,69.481 44.298,70.181 44.298,71.019 45.187,71.908 R9.2@45.212,71.908
  Top Layer w0.635: R9.2@45.212,71.908 45.218,71.914 46.73,71.914 C12.2@46.736,71.92 50.716,71.92 50.933,72.137 C78.2@51.308,72.137 51.683,72.137 51.865,71.954 51.865,71.731 52.349,71.247 U5.1@54.737,71.247 55.547,71.247 56.134,71.834 58.96,71.834 59.547,71.247 U5.6@59.812,71.247 61.897,71.247 R128.1@62.024,71.374
L1_5V_Backup_EN: CN3.4 R11.2 | length 36.8
  Top Layer w0.203: CN3.4@20.828,46.228 20.948,46.348 21.781,46.348 21.9,46.467 21.9,48.966 19.736,51.13 19.736,57.607 24.74,62.611 24.74,68.323 28.68,72.263 R11.2@33.896,72.263
L1_24V_Backup: C31.2 IC5.20 LOW1.15 R39.2 | length 144.4
  Top Layer w0.508: IC5.20@94.787,59.649 96.145,59.649 96.644,60.148 96.71,60.148 R39.2@96.881,60.319
  Top Layer w0.635: R39.2@96.881,60.319 96.893,60.307 98.392,60.307 C31.2@98.405,60.294 98.453,60.246 100.028,60.246 v1(100.076,60.198)
  Bottom Layer w0.635: v1(100.076,60.198) 100.246,60.368 100.875,60.368 100.882,60.376 155.753,60.376 157.487,62.11 159.055,63.678 174.29,63.678 177.16,60.808 207.683,60.808 212.496,55.994 212.496,52.508 220.41,44.594 220.41,42.707 221.19,41.928 223.41,41.928 LOW1.15@224.742,43.259
L1_24V_Backup_EN: CN3.40 R37.2 | length 70
  Top Layer w0.203: CN3.40@25.16,48.6 25.231,48.529 26.096,48.529 27.178,47.447 61.519,47.447 65.938,51.867 65.938,55.926 72.266,62.253 81.263,62.253 82.003,61.513 82.951,61.513 83.236,61.798 85.151,61.798 85.565,62.212 R37.2@85.565,62.237
L1_current_IN3: C26.2 CN3.6 R22.2 | length 28
  Top Layer w0.203: CN3.6@20.955,44.704 21.844,44.704 22.611,45.471 22.611,49.271 20.447,51.435 20.447,57.278 28.689,65.52 R22.2@28.689,67.183
L1_select0: CN3.7 R4.2 | length 28.3
  Top Layer w0.203: CN3.7@20.84,43.8 21.829,43.8 22.967,44.938 22.967,49.644 26.111,52.788 26.111,58.37 33.883,66.142 R4.2@33.883,66.167
L1_select1: CN3.10 R7.2 | length 28
  Top Layer w0.203: CN3.10@20.828,41.402 20.974,41.548 21.863,41.548 24.034,43.719 24.034,49.18 27.178,52.324 27.178,57.785 31.369,61.976 R7.2@33.883,61.976
L2_5V_Backup: LOW1.12 R131.2 R132.2 | length 122.6
  Top Layer w0.635: v1(117.475,43.307) 119.5,41.282 119.899,41.282 ; R131.2@119.899,38.742 119.899,41.282 ; R132.2@119.899,43.822 119.899,41.282 ; v1(198.882,45.862) 198.994,45.974 209.804,45.974 217.421,53.591 223.41,53.591 LOW1.12@224.742,52.259
  Bottom Layer w0.635: v1(117.475,43.307) 117.529,43.307 120.171,40.665 125.628,40.665 129.032,44.069 196.848,44.069 198.641,45.862 v1(198.882,45.862)
L2_5V_Backup_EN: CN3.34 R63.2 | length 76.3
  Top Layer w0.203: CN3.34@25.135,43.815 25.196,43.754 26.096,43.754 28.702,41.148 55.722,41.148 66.187,30.683 69.139,30.683 70.518,32.062 71.514,32.062 72.74,30.836 74.524,30.836 77.521,33.833 77.521,40.051 81.021,43.551 81.021,43.753 81.17,43.902 83.959,43.902 84.761,44.704 R63.2@85.445,44.704
L2_5V_Backupa_a: C45.2 C81.2 IC7.24 R61.2 R132.1 U6.1 U6.6 | length 21.7
  Top Layer w0.508: IC7.24@94.66,41.929 95.14,41.929 95.839,42.629 95.839,43.467 R61.2@96.729,44.356
  Top Layer w0.635: R61.2@96.729,44.356 96.735,44.362 98.272,44.362 C45.2@98.278,44.368 102.258,44.368 102.602,44.712 C81.2@102.977,44.712 103.352,44.712 104.115,43.949 U6.1@106.533,43.949 107.343,43.949 107.93,44.536 110.756,44.536 111.343,43.949 U6.6@111.608,43.949 113.772,43.949 R132.1@113.899,43.822
L2_24V_Backup: C13.2 IC2.20 LOW1.14 R15.2 | length 193.7
  Top Layer w0.508: IC2.20@43.118,66.881 44.657,66.881 45.187,67.411 R15.2@45.212,67.411
  Top Layer w0.635: R15.2@45.212,67.411 45.218,67.405 46.73,67.405 C13.2@46.736,67.399 48.145,67.399 48.544,67.797 v1(48.784,67.797)
  Bottom Layer w0.635: v1(48.784,67.797) 51.957,64.625 98.383,64.625 99.798,66.04 175.268,66.04 178.138,63.17 208.661,63.17 214.859,56.972 214.859,54.259 221.19,47.927 223.074,47.927 LOW1.14@224.742,46.259
L2_24V_Backup_EN: CN3.5 R13.2 | length 36.3
  Top Layer w0.203: CN3.5@20.84,45.4 21.778,45.4 22.256,45.878 22.256,49.124 20.091,51.288 20.091,57.46 25.105,62.474 25.105,68.158 26.452,69.505 26.512,69.565 26.896,69.641 cw(c27.083,68.694) 27.106,69.659 31.561,69.565 31.62,69.505 31.657,69.469 R13.2@33.896,69.469
L2_current_IN4: C36.2 CN3.39 R46.2 | length 64.3
  Top Layer w0.203: CN3.39@25.16,47.8 26.322,47.8 27.031,47.092 61.666,47.092 66.294,51.719 66.294,55.778 70.467,59.951 R46.2@80.104,59.951 ; C36.2@80.117,58.592 R46.2@80.117,59.926